# Altium PCB CONTROLBAORD_PCB.PcbDoc (part 1 of 2) (continued)
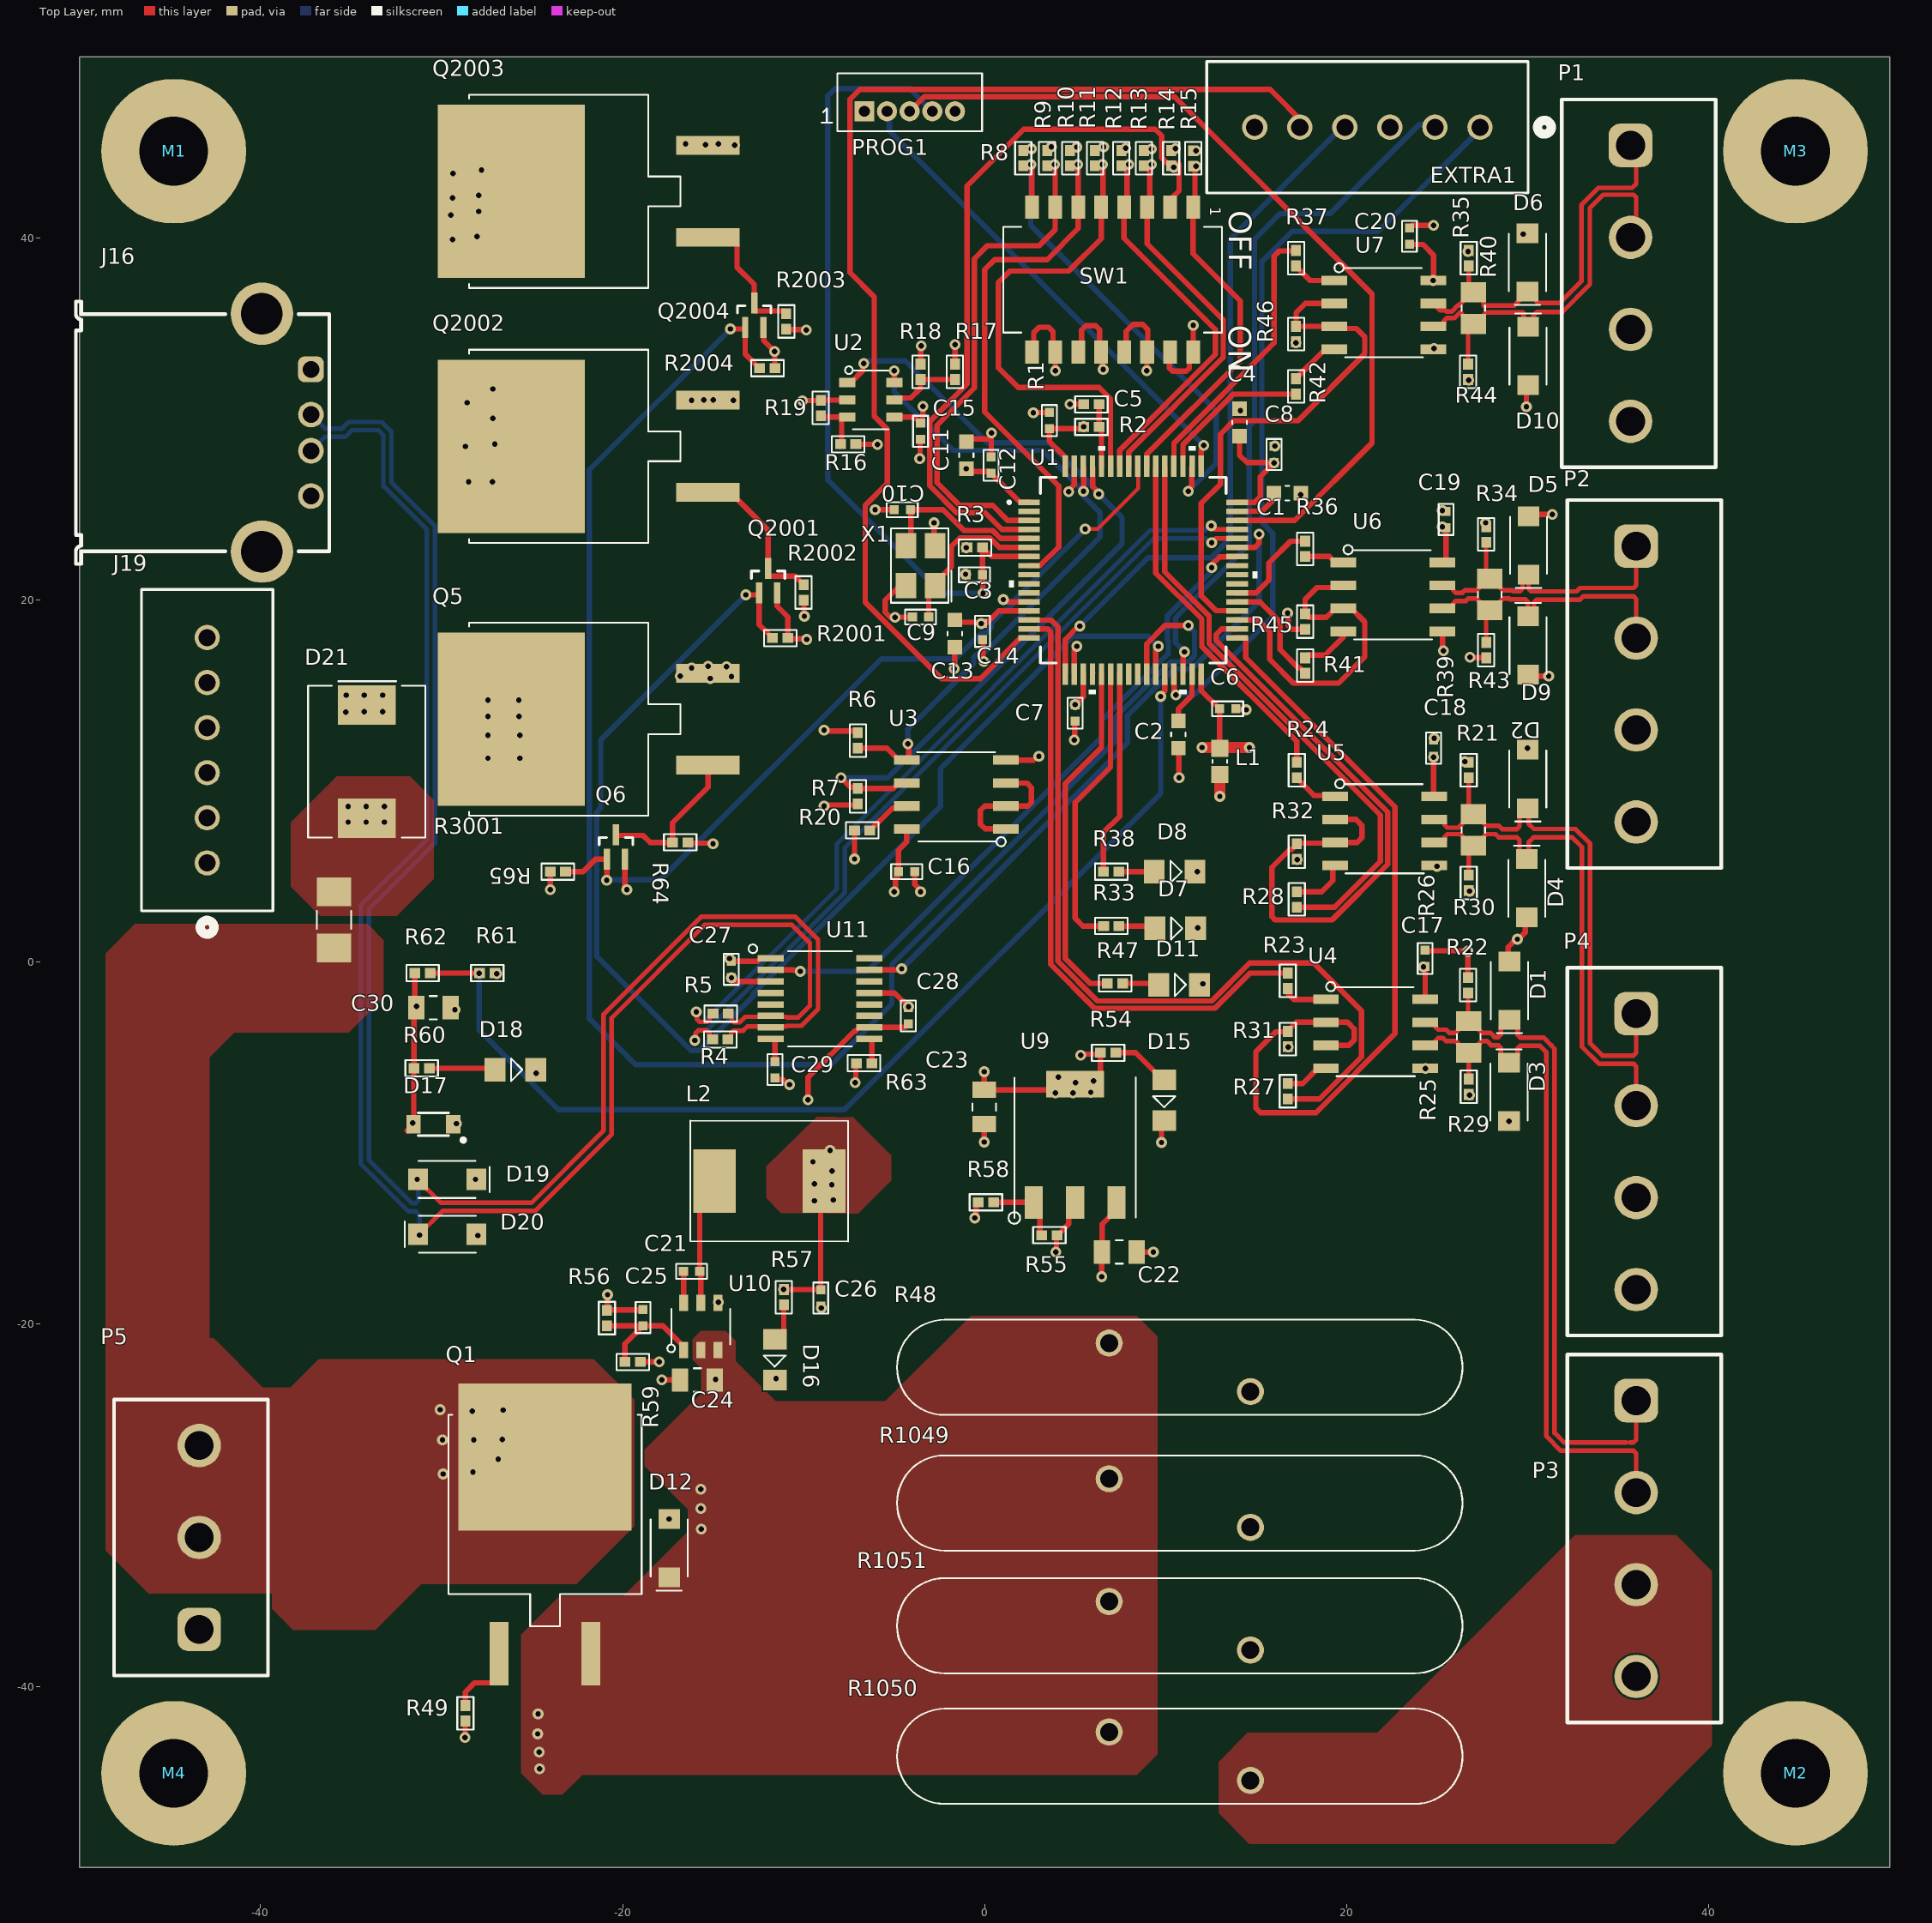
[diagram p0: Top Layer view]
## Design rules (kind name [scope] priority, off if disabled: settings)
BoardOutlineClearance [All] p1: gap=0.1 ignorepadtopadclearanceinfootprint=FALSE
Clearance [InNamedPolygon('Int1 (GND)-GND')] p1: gap=0.254 ignorepadtopadclearanceinfootprint=FALSE
Clearance "PCBWAY Standarts" [All] p2: gap=0.1 ignorepadtopadclearanceinfootprint=FALSE
DiffPairsRouting [All] p1: maxlimit=0.3 minlimit=0.1 mostfreqgap=0.2 toplayer_minwidth=0.254 toplayer_maxwidth=0.381 toplayer_prefwidth=0.254 midlayer1_minwidth=0.254 midlayer1_maxwidth=0.381 midlayer1_prefwidth=0.254 midlayer2_minwidth=0.254 midlayer2_maxwidth=0.381 midlayer2_prefwidth=0.254 bottomlayer_minwidth=0.254 bottomlayer_maxwidth=0.381 bottomlayer_prefwidth=0.254 maxuncoupledlength=12.7
Height [All] p1: minheight=0 maxheight=100 prefheight=12.7
HoleSize [All] p1: absolutevalues=TRUE maxlimit=5 minlimit=0.2 maxpercent=80.000 minpercent=20.000
HoleToHoleClearance [All] p1: gap=0 allowstackedmicrovias=TRUE
MinimumSolderMaskSliver [All] p1: minsoldermaskwidth=0
PolygonConnect PolygonConnect_2 [All vs IsNamedPolygon('Top Layer-12V0_4964')] p1: thpad.connectstyle=Direct thpad.reliefconductorwidth=0.254 thpad.reliefentries=4 thpad.polygonreliefangle="90 Angle" thpad.airgapwidth=0.254 smdpad.connectstyle=Direct smdpad.reliefconductorwidth=0.254 smdpad.reliefentries=4 smdpad.polygonreliefangle="90 Angle" smdpad.airgapwidth=0.254 via.connectstyle=Relief via.reliefconductorwidth=0.254 via.reliefentries=4 via.polygonreliefangle="90 Angle" via.airgapwidth=0.254
PolygonConnect PolygonConnect_1 [All vs IsNamedPolygon('Top Layer-12V0_4964')] p2: thpad.connectstyle=Direct thpad.reliefconductorwidth=0.254 thpad.reliefentries=4 thpad.polygonreliefangle="90 Angle" thpad.airgapwidth=0.254 smdpad.connectstyle=Direct smdpad.reliefconductorwidth=0.254 smdpad.reliefentries=4 smdpad.polygonreliefangle="90 Angle" smdpad.airgapwidth=0.254 via.connectstyle=Relief via.reliefconductorwidth=0.254 via.reliefentries=4 via.polygonreliefangle="90 Angle" via.airgapwidth=0.254
PolygonConnect [All] p3: connectstyle=Relief reliefconductorwidth=0.254 reliefentries=4 polygonreliefangle="90 Angle" airgapwidth=0.254
RoutingVias 0.3mm/0.6mm [All] p1: holewidth=0.3 width=0.6 viastyle="Through Hole" minholewidth=0.1 minwidth=0.2 maxholewidth=4 maxwidth=5
SilkToSilkClearance [All] p1: silktosilkclearance=0.1
SilkToSolderMaskClearance [IsPad] p1: minsilkscreentomaskgap=0.05 clearancetoexposedcopper=TRUE
SolderMaskExpansion [All] p1: expansion=0.102
Width 0.15mm [All] p1: maxlimit=20 minlimit=0.15 preferedwidth=0.3 minimp=50.000000 maximp=50.000000 favimp=50.000000
23 further rules are at their usual default settings.

## Classes and differential pairs
component class ALARM_POWER: D21 J19 Q5 Q6 Q2001 Q2002 Q2003 Q2004 R64 R65 R2001 R2002 R2003 R2004 R3001
component class UART_USB: C27 C28 C29 C30 D17 D18 D19 D20 J16 R60 R61 R62 R63 U11
component class POWER: C21 C22 C23 C24 C25 C26 D12 D15 D16 L2 P5 Q1 R48 R49 R54 R55 R56 R57 R58 R59 R1049 R1050 R1051 U9 U10
component class MISC: C15 C16 C17 C18 C19 C20 D1 D2 D3 D4 D5 D6 D7 D8 D9 D10 D11 EXTRA1 PROG1 R6 R7 R8 R9 R10 R11 R12 R13 R14 R15 R16 R17 R18 R19 R20 R21 R22 R23 R24 R25 R26 R27 R28 R29 R30 R31 R32 R33 R34 R35 R36 R37 R38 R39 R40 R41 R42 R43 R44 R45 R46 R47 SW1 U2 U3 U4 U5 U6 U7
component class MICROCONTROLLER: C1 C2 C3 C4 C5 C6 C7 C8 C9 C10 C11 C12 C13 C14 L1 R1 R2 R3 R4 R5 U1 X1
component class CONNECTORs: M1 M2 M3 M4 P1 P2 P3 P4
differential pair RS485_4: +RS485_4_P -RS485_4_N
differential pair RS485_3: +RS485_3_P -RS485_3_N
differential pair RS485_2: +RS485_2_P -RS485_2_N
differential pair RS485_1: +RS485_1_P -RS485_1_N
differential pair USB1_D: +USB1_D_P -USB1_D_N
differential pair USB_D: +USB_D_P -USB_D_N

## Components (designator, comment, footprint, x,y, rotation, side; value= is the part's Value field where it differs from the comment)
C1 "CL10A225KP8NNNC" CAP_0603_CER 16.733,25.908 r180 top value=2.2u
C2 "CL10A225KP8NNNC" CAP_0603_CER 10.71,12.575 r90 top value=2.2u
C3 "CL05B104KP5NNNC" CAP_0402_CER -0.56,21.405 r0 top value=100n
C4 "CL10A475KP8NNNC" CAP_0603_CER 14.083,29.815 r270 top value=4.7u
C5 "CL05B104KP5NNNC" CAP_0402_CER 3.58,29.92 r90 top value=100n
C6 "CL05B104KP5NNNC" CAP_0402_CER 13.43,13.995 r0 top value=100n
C7 "CL05B104KP5NNNC" CAP_0402_CER 5,13.758 r270 top value=100n
C8 "CL05B104KP5NNNC" CAP_0402_CER 16,28.047 r90 top value=100n
C9 "CC0402JRNPO9BN180" CAP_0402_CER -3.538,19.065 r180 top value=18p
C10 "CC0402JRNPO9BN180" CAP_0402_CER -4.55,25 r180 top value=18p
C11 "CL10A225KP8NNNC" CAP_0603_CER -1.01,28 r90 top value=2.2u
C12 "CL05B104KP5NNNC" CAP_0402_CER 0.362,27.45 r270 top value=100n
C13 "CL10A225KP8NNNC" CAP_0603_CER -1.638,18.155 r90 top value=2.2u
C14 "CL05B104KP5NNNC" CAP_0402_CER -0.11,18.273 r270 top value=100n
C15 "CL05B104KP5NNNC" CAP_0402_CER -3.538,29.326 r270 top value=100n
C16 "CL05B104KP5NNNC" CAP_0402_CER -4.3,5 r180 top value=100n
C17 "CL05B104KP5NNNC" CAP_0402_CER 24.34,0.209 r270 top value=100n
C18 "CL05B104KP5NNNC" CAP_0402_CER 24.8,11.825 r270 top value=100n
C19 "CL05B104KP5NNNC" CAP_0402_CER 25.5,24.455 r270 top value=100n
C20 "CL05B104KP5NNNC" CAP_0402_CER 23.47,40.099 r270 top value=100n
C21 "CL05B104KP5NNNC" CAP_0402_CER -16.188,-17.08 r0 top value=100nF
C22 "CL21A106KOQNNNE" CAP_0805_CER 7.44,-16 r180 top value=10uF
C23 "CL21A106KOQNNNE" CAP_0805_CER -0.023,-8 r90 top value=10uF
C24 "CL21A106KOQNNNE" CAP_0805_CER -15.865,-23.08 r0 top value=10uF
C25 "CC0402JRNPO9BN101" CAP_0402_CER -18.865,-19.63 r90 top value=100pF
C26 "CL10A475KP8NNNC" CAP_0402_CER -9.054,-18.55 r90 top value=4.7uF
C27 "CL05B104KP5NNNC" CAP_0402_CER -14,-0.396 r270 top value=100n
C28 "CL05B104KP5NNNC" CAP_0402_CER -4.207,-2.966 r270 top value=100n
C29 "CL05B104KP5NNNC" CAP_0402_CER -11.575,-5.933 r90 top value=100n
C30 "CL21A106KOQNNNE" CAP_0805_CER -30.45,-2.516 r180 top value=10u
D1 "SMF16CA" SOD-123F 28.975,-1.696 r90 top value=16V
D2 "SMF16CA" SOD-123F 29.984,10 r90 top value=16V
D3 "SMF16CA" SOD-123F 29,-7.05 r270 top value=16V
D4 "SMF16CA" SOD-123F 29.984,4.205 r270 top value=16V
D5 "SMF16CA" SOD-123F 30.025,22.905 r90 top value=16V
D6 "SMF16CA" SOD-123F 29.966,38.527 r90 top value=16V
D7 "*" LED_0805_SMD 10.46,1.95 r0 top
D8 "*" LED_0805_SMD 10.42,5.073 r0 top
D9 "SMF16CA" SOD-123F 30.05,17.615 r270 top value=16V
D10 "SMF16CA" SOD-123F 30.05,33.604 r270 top value=16V
D11 "*" LED_0805_SMD 10.67,-1.169 r0 top
D12 "SMF13A" SOD-123F -17.45,-32.487 r90 top value=13V
D15 "HSMM-C170" LED_0805_SMD 10,-7.552 r270 top
D16 "HSMM-C170" LED_0805_SMD -11.517,-21.878 r270 top
D17 "BAT42WS-E3-08" SOD323F -30.45,-8.95 r180 top value=200mA
D18 "*" LED_0805_SMD -26,-5.86 r0 top
D19 "SMF16CA" SOD-123F -29.568,-12.025 r180 top value=16V
D20 "SMF16CA" SOD-123F -29.806,-15 r0 top value=16V
D21 "SMLJ13CA" "DO-214AB, SMC" -34.29,11.167 r270 top value=3kW
EXTRA1 "B06B-XASK-1-A" conn6_2132415-6_TEC#1 27.372,46.12 r0 top
J16 "UJ2-BH-1-TH" 61400416021 -43.205,29.25 r270 top
J19 "B06B-XASK-1-A" conn6_2132415-6_TEC#2 -42.951,5.486 r270 top
L1 "MPZ1608S221ATA00" IND_0603_SMD 13,11.095 r90 top value="220 Ohms @ 100 MHz"
L2 "BMRB00060630100MA1" IND_YAGEO -14.915,-12.08 r0 top value=10u
M1 "M3 Screw" M3_Screw -44.8,44.8 r0 top locked
M2 "M3 Screw" M3_Screw 44.8,-44.8 r0 top locked
M3 "M3 Screw" M3_Screw 44.8,44.8 r0 top locked
M4 "M3 Screw" M3_Screw -44.8,-44.8 r0 top locked
P1 "691311500004" 691311500004 36.137,37.497 r270 top
P2 "691311500004" 691311500004 36.45,15.365 r270 top
P3 "691311500004" 691311500004 36.45,-31.835 r270 top
P4 "691311500004" 691311500004 36.45,-10.46 r270 top
P5 "SBDK 5,08-E2A/3" 691311500003 -43.84,-31.775 r90 top
PROG1 "125SH-B-05-TS" 1.25_ST_5POS_THT -4.237,47.704 r0 top value=5POS-1.25mm
Q1 "SQM110P06-8M9L_GE3" SQM110P06_MOSFET -24.359,-32.479 r0 top value=N/A
Q5 "SQM110P06-8M9L_GE3" SQM110P06_MOSFET -21,13.343 r90 top value=N/A
Q6 "SSM3K56FS,LF" SSM_TOS -20.365,6.361 r0 top
Q2001 "SSM3K56FS,LF" SSM_TOS -11.96,21.08 r0 top
Q2002 "SQM110P06-8M9L_GE3" SQM110P06_MOSFET -21,28.42 r90 top value=N/A
Q2003 "SQM110P06-8M9L_GE3" SQM110P06_MOSFET -21,42.5 r90 top value=N/A
Q2004 "SSM3K56FS,LF" SSM_TOS -12.725,35.726 r0 top
R1 "RMCF0402JT2K20" RES_0402_SMD 5.9,30.815 r180 top value=2.2K
R2 "RMCF0402JT2K20" RES_0402_SMD 5.9,29.565 r180 top value=2.2K
R3 "RMCF0402JT2K20" RES_0402_SMD -0.535,22.905 r0 top value=2.2K
R4 "RC0402JR-070RL" RES_0402_SMD -14.605,-4.267 r180 top value=0
R5 "RC0402JR-070RL" RES_0402_SMD -14.58,-2.84 r180 top value=0
R6 "RMCF0402JT2K20" RES_0402_SMD -7,12.245 r90 top value=2.2K
R7 "RMCF0402JT2K20" RES_0402_SMD -7,9.165 r270 top value=2.2K
R8 "RMCF0402JT2K20" RES_0402_SMD 2.136,44.411 r90 top value=2.2K
R9 "RMCF0402JT2K20" RES_0402_SMD 3.456,44.411 r90 top value=2.2K
R10 "RMCF0402JT2K20" RES_0402_SMD 4.726,44.411 r90 top value=2.2K
R11 "RMCF0402JT2K20" RES_0402_SMD 6.096,44.411 r90 top value=2.2K
R12 "RMCF0402JT2K20" RES_0402_SMD 7.556,44.411 r90 top value=2.2K
R13 "RMCF0402JT2K20" RES_0402_SMD 8.806,44.411 r90 top value=2.2K
R14 "RMCF0402JT2K20" RES_0402_SMD 10.306,44.411 r90 top value=2.2K
R15 "RMCF0402JT2K20" RES_0402_SMD 11.52,44.399 r90 top value=2.2K
R16 "RMCF0402JT2K20" RES_0402_SMD -7.538,28.612 r0 top value=2.2K
R17 "RMCF0402JT2K20" RES_0402_SMD -1.638,32.612 r90 top value=2.2K
R18 "RMCF0402JT2K20" RES_0402_SMD -3.538,32.612 r270 top value=2.2K
R19 "RMCF0402JT2K20" RES_0402_SMD -9.054,30.612 r270 top value=2.2K
R20 "RMCF0402JT2K20" RES_0402_SMD -6.764,7.285 r0 top value=2.2K
R21 "RMCF0402JT2K20" RES_0402_SMD 26.75,10.611 r90 top value=2.2K
R22 "RMCF0402JT2K20" RES_0402_SMD 26.71,-1.271 r90 top value=2.2K
R23 "RMCF0402JT220R" RES_0402_SMD 16.75,-1.024 r90 top value=220
R24 "RMCF0402JT220R" RES_0402_SMD 17.25,10.611 r90 top value=220
R25 "ESR10EZPJ121" RES_0805_SMD 26.75,-4.125 r270 top value=120
R26 "ESR10EZPJ121" RES_0805_SMD 27,7.305 r270 top value=120
R27 "RMCF0402JT220R" RES_0402_SMD 16.75,-7.127 r270 top value=220
R28 "RMCF0402JT220R" RES_0402_SMD 17.25,3.466 r270 top value=220
R29 "RMCF0402JT2K20" RES_0402_SMD 26.75,-6.875 r90 top value=2.2K
R30 "RMCF0402JT2K20" RES_0402_SMD 26.75,4.383 r90 top value=2.2K
R31 "RMCF0402JT2K20" RES_0402_SMD 16.75,-4.244 r90 top value=2.2K
R32 "RMCF0402JT2K20" RES_0402_SMD 17.25,6.111 r90 top value=2.2K
R33 "RMCF0402JT2K20" RES_0402_SMD 7,2 r180 top value=2.2K
R34 "RMCF0402JT2K20" RES_0402_SMD 27.71,23.627 r90 top value=2.2K
R35 "RMCF0402JT2K20" RES_0402_SMD 26.75,38.89 r90 top value=2.2K
R36 "RMCF0402JT220R" RES_0402_SMD 17.71,22.83 r90 top value=220
R37 "RMCF0402JT220R" RES_0402_SMD 17.21,38.89 r90 top value=220
R38 "RMCF0402JT2K20" RES_0402_SMD 6.995,5 r180 top value=2.2K
R39 "ESR10EZPJ121" RES_0805_SMD 27.908,20.31 r270 top value=120
R40 "ESR10EZPJ121" RES_0805_SMD 27,36.125 r270 top value=120
R41 "RMCF0402JT220R" RES_0402_SMD 17.71,16.385 r270 top value=220
R42 "RMCF0402JT220R" RES_0402_SMD 17.21,31.805 r270 top value=220
R43 "RMCF0402JT2K20" RES_0402_SMD 27.71,17.235 r90 top value=2.2K
R44 "RMCF0402JT2K20" RES_0402_SMD 26.71,32.612 r90 top value=2.2K
R45 "RMCF0402JT2K20" RES_0402_SMD 17.71,18.81 r90 top value=2.2K
R46 "RMCF0402JT2K20" RES_0402_SMD 17.21,34.697 r90 top value=2.2K
R47 "RMCF0402JT2K20" RES_0402_SMD 7.21,-1.169 r180 top value=2.2K
R48 "SL32 0R530" "SL32 0R530" 10.783,-22.377 r0 top value=30A
R49 "RMCF0402JT100K" RES_0402_SMD -28.685,-41.487 r90 top value=100K
R54 "RMCF0402FT3K00" RES_0402_SMD 6.825,-5 r180 top value=3K
R55 "RMCF0402FT2K00" RES_0402_SMD 3.58,-15.08 r0 top value=2K
R56 "RMCF0402FT158K" RES_0402_SMD -20.865,-19.655 r90 top value=158K
R57 "RMCF0402FT3K00" RES_0402_SMD -11.09,-18.505 r90 top value=3K
R58 "RMCF0402FT3K00" RES_0402_SMD 0.077,-13.264 r0 top value=3K
R59 "*" RES_0402_SMD -19.44,-22.08 r180 top value=30K
R60 "RMCF0402JT2K20" RES_0402_SMD -31.1,-5.86 r0 top value=2.2K
R61 "RMCF0402JT2K20" RES_0402_SMD -27.473,-0.599 r180 top value=2.2K
R62 "RMCF0402JT2K20" RES_0402_SMD -31.048,-0.599 r180 top value=2.2K
R63 "RMCF0402JT2K20" RES_0402_SMD -6.658,-5.582 r180 top value=2.2K
R64 "RMCF0402JT100K" RES_0402_SMD -16.815,6.616 r0 top value=100K
R65 "RMCF0402JT100K" RES_0402_SMD -23.575,5 r0 top value=100K
R1049 "SL32 0R530" "SL32 0R530" 10.783,-29.87 r0 top value=30A
R1050 "SL32 0R530" "SL32 0R530" 10.783,-43.86 r0 top value=30A
R1051 "SL32 0R530" "SL32 0R530" 10.783,-36.652 r0 top value=30A
R2001 "RMCF0402JT100K" RES_0402_SMD -11.29,17.905 r180 top value=100K
R2002 "RMCF0402JT100K" RES_0402_SMD -10,20.425 r270 top value=100K
R2003 "RMCF0402JT100K" RES_0402_SMD -10.96,35.396 r270 top value=100K
R2004 "RMCF0402JT100K" RES_0402_SMD -12,32.81 r180 top value=100K
R3001 "*" RES_1206_SMD -35.941,2.337 r90 top value=0R
SW1 "218-8LPST" 218-8LPST 7.177,37.7 r270 top value=SPST-8POS
U1 "STM32F405RGT6" LQFP64-10x10mm 8.21,21.655 r0 top
U2 "TMP100AQDBVRQ1" TSOT-23-6 -6.248,31.251 r0 top value="-55°C ~ 125°C"
U3 "M24256E-FMN6TP" "8-SOIC(0.154\", 3.90mm Width)" -1.71,9.13 r180 top value=256Kbit
U4 "SP3082EEN-L" "8-SOIC(0.154\", 3.90mm Width)" 21.75,-3.823 r0 top value=256nodes
U5 "SP3082EEN-L" "8-SOIC(0.154\", 3.90mm Width)" 22.25,7.383 r0 top value=256nodes
U6 "SP3082EEN-L" "8-SOIC(0.154\", 3.90mm Width)" 22.71,20.31 r0 top value=256nodes
U7 "SP3082EEN-L" "8-SOIC(0.154\", 3.90mm Width)" 22.21,35.886 r0 top value=256nodes
U9 "AMS1117-ADJ" SOT-223-3 5,-10 r0 top value=1A
U10 "AP63200WU-7" TSOT-23-6 -15.865,-20.08 r90 top value=N/A
U11 "FT230XS-R" 16-SSOP -9.197,-1.933 r0 top value=N/A
X1 "CF4016M00009T1521005" XTAL-4SMD -3.538,21.905 r180 top value=16Mhz

## Footprints (in the part's own frame and the unit in brackets; to place one, negate y for a bottom-side part, rotate by r counter-clockwise, add the part's x,y. Pads: shape width x height; smd on the part's side, far side on the other; paste and mask are expansions set on the pad)
1.25_ST_5POS_THT [mm]
  rect 1.108x1.108 hole 0.6: 1(-2.401,-0.704)
  round 1.108 hole 0.6: 2(-1.151,-0.704) 3(0.099,-0.704) 4(1.349,-0.704) 5(2.599,-0.704)
  silkscreen extent -4.77,-1.8 4.1,1.4, body extent -3.87,-1.78 4.12,1.42, height 4.2
"8-SOIC(0.154\", 3.90mm Width)" [mm]
  rect 1.417x0.533 smd paste+0: 1(-2.89,1.773) 2(-2.89,0.503) 3(-2.89,-0.767) 4(-2.89,-2.037) 5(2.59,-2.037) 6(2.59,-0.767) 7(2.59,0.503) 8(2.59,1.773)
  silkscreen extent -2.88,-2.47 2.02,2.73, body extent -3.17,-2.68 3.02,2.4, height 1.76
16-SSOP [mil]
  rect 57.5x14 smd paste+0: 1(-103.16,84.31) 2(-103.16,59.31) 3(-103.16,34.31) 4(-103.16,9.31) 5(-103.16,-15.69) 6(-103.16,-40.69) 7(-103.16,-65.69) 8(-103.16,-90.69) 9(111.34,-90.69) 10(111.34,-65.69) 11(111.34,-40.69) 12(111.34,-15.69) 13(111.34,9.31) 14(111.34,34.31) 15(111.34,59.31) 16(111.34,84.31)
  silkscreen extent -151,-107 73,115, body extent -118,-102 126,95, height 69
218-8LPST [mm]
  rect 1.27x0.762 smd paste+0: 1(-4,4.343) 2(-4,3.073) 3(-4,1.803) 4(-4,0.533) 5(-4,-0.737) 6(-4,-2.007) 7(-4,-3.277) 8(-4,-4.547) 9(4,-4.547) 10(4,-3.277) 11(4,-2.007) 12(4,-0.737) 13(4,0.533) 14(4,1.803) 15(4,3.073) 16(4,4.343)
  silkscreen extent -2.92,-6.15 2.92,5.94, body extent -4.27,-5.75 4.17,5.57, height 2.57
61400416021 [mm] "USB 2.0 Type A Horizontal"
  rrect50% 1.42x1.42 hole 0.92: 1(-3.5,5.99)
  round 1.42 hole 0.92: 2(-1,5.99) 3(1,5.99) 4(3.5,5.99)
  round 3.45 hole 2.3: Shell(-6.57,3.28) Shell(6.57,3.28)
  silkscreen extent -7.25,-7 7.25,7, body extent -8,-7 8,7, height 7.63
691311500003 [mm] "5,08mm - PCB Headers - Vertical - Opened ends -03p"
  rrect50% 2.4x2.4 hole 1.6: 1(-5.08,-0.45)
  round 2.4 hole 1.6: 2(0,-0.45) 3(5.08,-0.45)
  silkscreen extent -7.62,-4.25 7.62,4.25, body extent -7.62,-4.25 7.62,4.25, height 12.05
691311500004 [mm] "5,08mm - PCB Headers - Vertical - Opened ends -04p"
  rrect50% 2.4x2.4 hole 1.6: 1(-7.62,-0.45)
  round 2.4 hole 1.6: 2(-2.54,-0.45) 3(2.54,-0.45) 4(7.62,-0.45)
  silkscreen extent -10.16,-4.25 10.16,4.25, body extent -10.16,-4.25 10.16,4.25, height 12.05
CAP_0402_CER [mm] "Generic"
  rect 0.5x0.5 smd: 1(-0.45,0) 2(0.45,0)
  silkscreen extent -0.86,-0.41 0.86,0.41, body extent -0.5,-0.25 0.5,0.25, height 0.5
CAP_0603_CER [mm] "Generic"
  rect 0.8x0.8 smd: 1(-0.75,0) 2(0.75,0)
  silkscreen extent -0.1,-0.4 0.1,0.4, body extent -0.8,-0.4 0.8,0.4, height 0.8
CAP_0805_CER [mm] "Generic"
  rect 0.9x1.3 smd: 1(-0.95,0) 2(0.95,0)
  silkscreen extent -0.2,-0.65 0.2,0.65, body extent -1,-0.62 1,0.63, height 0.6
conn6_2132415-6_TEC#1 [mil]
  round 55 / inner round 60 / far side round 55 hole 37.4 paste-27.5 mask+0: 1(0,0) 2(-98,0) 3(-196,0) 4(-294,0) 5(-392,0) 6(-490,0)
  silkscreen extent -594,-143 155,143
conn6_2132415-6_TEC#2 [mil]
  round 55 hole 37.4 paste-27.5 mask+0: 1(0,0) 2(-98,0) 3(-196,0) 4(-294,0) 5(-392,0) 6(-490,0)
  silkscreen extent -594,-143 155,143
"DO-214AB, SMC" [mm]
  rect 2.174x3.2 smd paste+0: 1(-3.041,0.15) 2(3.213,0.15)
  silkscreen extent -4.35,-3.09 4.28,3.39, body extent -4,-2.97 4.13,3.25, height 2.67
IND_0603_SMD [mm] "Generic"
  rect 0.95x0.95 smd: 1(-0.725,0) 2(0.725,0)
  silkscreen extent -0.08,-0.4 0.08,0.4, body extent -0.8,-0.48 0.8,0.48, height 0.78
IND_YAGEO [mm] "BMRB00060630100MA1"
  rect 2.35x3.5 smd: 1(0,0) 2(6.05,0)
  silkscreen extent -1.35,-3.35 7.37,3.32, body extent -0.62,-3.3 6.68,3.3, height 3
LED_0805_SMD [mm]
  rect 1.15x1.3 smd: A(-1.048,-0.073) C(1.201,-0.073)
  silkscreen extent -0.15,-0.7 0.46,0.54, body extent -0.95,-0.7 1.05,0.55, height 0.72
LQFP64-10x10mm [mm]
  rect 1.194x0.305 smd paste+0 mask+0: 1(-5.75,3.75) 2(-5.75,3.25) 3(-5.75,2.75) 4(-5.75,2.25) 5(-5.75,1.75) 6(-5.75,1.25) 7(-5.75,0.75) 8(-5.75,0.25) 9(-5.75,-0.25) 10(-5.75,-0.75) 11(-5.75,-1.25) 12(-5.75,-1.75) 13(-5.75,-2.25) 14(-5.75,-2.75) 15(-5.75,-3.25) 16(-5.75,-3.75) 33(5.75,-3.75) 34(5.75,-3.25) 35(5.75,-2.75) 36(5.75,-2.25) 37(5.75,-1.75) 38(5.75,-1.25) 39(5.75,-0.75) 40(5.75,-0.25) 41(5.75,0.25) 42(5.75,0.75) 43(5.75,1.25) 44(5.75,1.75) 45(5.75,2.25) 46(5.75,2.75) 47(5.75,3.25) 48(5.75,3.75)
  rect 0.305x1.194 smd paste+0 mask+0: 17(-3.75,-5.75) 18(-3.25,-5.75) 19(-2.75,-5.75) 20(-2.25,-5.75) 21(-1.75,-5.75) 22(-1.25,-5.75) 23(-0.75,-5.75) 24(-0.25,-5.75) 25(0.25,-5.75) 26(0.75,-5.75) 27(1.25,-5.75) 28(1.75,-5.75) 29(2.25,-5.75) 30(2.75,-5.75) 31(3.25,-5.75) 32(3.75,-5.75) 49(3.75,5.75) 50(3.25,5.75) 51(2.75,5.75) 52(2.25,5.75) 53(1.75,5.75) 54(1.25,5.75) 55(0.75,5.75) 56(0.25,5.75) 57(-0.25,5.75) 58(-0.75,5.75) 59(-1.25,5.75) 60(-1.75,5.75) 61(-2.25,5.75) 62(-2.75,5.75) 63(-3.25,5.75) 64(-3.75,5.75)
  silkscreen extent -6.93,-6.85 6.85,6.85, body extent -6,-6 6,6, height 1.6
M3_Screw [mm]
  round 8 hole 3.8 paste+0: 0(0,0)
RES_0402_SMD [mm] "Generic"
  rect 0.6x0.55 smd: 1(-0.425,0) 2(0.425,0)
  silkscreen extent -0.9,-0.45 0.9,0.45, body extent -0.5,-0.25 0.5,0.25, height 0.35
RES_0805_SMD [mm] "Generic"
  rect 1.1x1.4 smd: 1(-0.875,0) 2(0.875,0)
  silkscreen extent -0.15,-0.65 0.15,0.65, body extent -1,-0.62 1,0.63, height 0.45
RES_1206_SMD [mm] "Generic"
  rect 1.6x1.9 smd: 1(-1.55,0) 2(1.55,0)
  silkscreen extent -0.5,-0.95 0.5,0.95, body extent -1.55,-0.8 1.65,0.8, height 0.55
"SL32 0R530" [mil]
  round 59 / inner round 60 / far side round 59 hole 39 paste-29.5 mask+0: 1(-153.54,52.76)
  round 59 hole 39 paste-29.5 mask+0: 2(153.54,-52.76)
  silkscreen extent -615,-104 615,104
SOD323F [mm]
  rect 0.8x1 smd: 1(-1.1,0) 2(1.1,0)
  silkscreen extent -1.75,-0.63 0.85,0.97, body extent -1.25,-0.62 1.25,0.63, height 0.8
SOD-123F [mil]
  rect 43x47 smd paste+0: 1(-58.82,-0.98) 2(68.18,-0.98)
  silkscreen extent -88,-41 67,39, body extent -72,-40 82,39, height 43
SOT-223-3 [mm]
  rect 1x1.8 smd paste+0: 1(-2.29,-3.264) 2(0,-3.264) 3(2.29,-3.264)
  rect 3.2x1.473 smd paste+0: 4(0,3.264)
  silkscreen extent -3.68,-4.45 3.35,3.65, body extent -3.35,-3.64 3.35,3.65, height 1.81
SQM110P06_MOSFET [mil]
  rect 41x138 smd paste+0: 1(-96.97,-225.32) 2(103.03,-225.32)
  rect 377x320 smd paste+0: 3(3.03,202.68)
  silkscreen extent -207,-165 213,295, body extent -202,-280 208,342, height 190
SSM_TOS [mm]
  rect 0.351x1.161 smd paste+0 mask+0: 1(-0.5,-0.675) 2(0.5,-0.675) 3(0,0.675)
  silkscreen extent -0.93,0.12 0.93,0.53, body extent -0.8,-0.9 0.8,0.9, height 0.8
TSOT-23-6 [mil]
  rect 35.5x20 smd paste+0: 1(-52.9,30.08) 2(-52.9,-7.32) 3(-52.9,-44.72) 4(49.6,-44.72) 5(49.6,-7.32) 6(49.6,30.08)
  silkscreen extent -58,-71 37,65, body extent -57,-66 53,52, height 39
XTAL-4SMD [mm]
  rect 1.143x1.397 smd paste-0.572: 1(-0.8,1.1) 2(-0.8,-1.1) 3(0.8,-1.1) 4(0.8,1.1)
  silkscreen extent -1.7,-2.05 1.63,2.05, body extent -1.29,-1.65 1.3,1.65, height 0.76

## Part data
C1 C2 C3 C5 C6 C7 C8 C11 C12 C13 C14 C15 C16 C17 C18 C19 C20 C27 C28 C29: library part CAP_GEN_CER, "Generic", Voltage=10V, Place=P
  C1 C2 C11 C13: Part Number=CL10A225KP8NNNC
  C3 C5 C6 C7 C8 C12 C14 C15 C16 C17 C18 C19 C20 C27 C28 C29: Part Number=CL05B104KP5NNNC
C4: library part CAP_GEN_CER, "Generic", Voltage=6.3V, Part Number=CL10A475KP8NNNC, Place=P
C9 C10: library part CAP_GEN_CER, "Generic", Package=0402, Part Number=CC0402JRNPO9BN180, Place=P
C21: library part CAP_GEN_CER, "Generic", Package=0402, Voltage=10V, Part Number=CL05B104KP5NNNC, Place=P
C22 C23 C24: library part CAP_GEN_CER, "10uF 0805 Ceramic Capacitor", Voltage=16V, Part Number=CL21A106KOQNNNE, Place=P
C25: library part CAP_GEN_CER, "Generic", Package=0402, Voltage=50V, Part Number=CC0402JRNPO9BN101, Place=P
C26: library part CAP_GEN_CER, "Generic", Package=0402, Voltage=6.3V, Part Number=CL10A475KP8NNNC, Place=P
C30: library part CAP_GEN_CER, "Generic", Voltage=16V, Part Number=CL21A106KOQNNNE, Place=P
D1 D2 D3 D4 D5 D6 D9 D10 D19 D20: "Unidirectional TVS DIODE 200W 16V-17.8V SOD-123", Manufacturer="ANBON SEMI", Operating Temp.="-55°C ~ 150°C", Package=SOD-123F, Power=200W, Tolerance=N/A, Voltage=17.8V, Part Number=SMF16CA, Place=POP
D7 D8 D11 D18: library part LED_GEN
  D7: Place=P
  D8 D11 D18: Place=P/DNP
D12: "TVS DIODE 200W 14.4V-15.9V SOD-123", Manufacturer="ANBON SEMI", Operating Temp.="-55°C ~ 150°C", Package=SOD-123F, Power=200W, Tolerance=N/A, Voltage=14.4V, Part Number=SMF13A, Place=P
D15 D16: library part LED_GEN, Manufacturer=Broadcom, Package=0805, Voltage=3.3V, Part Number=HSMM-C170
  D15: Place=P
  D16: Place=POP
D17: "DIODE SCHOTTKY 30V 200MA", Operating Temp.="-55°C ~ 125°C", Package=SC-76, Power=N/A, Voltage=30V, Part Number=BAT42WS-E3-08, Place=POP, Tolerance=N/A
D21: "21.5V Clamp 139.4A Ipp Tvs Diode Surface Mount SMC (DO-214AB)", Operating Temp.=UD, Package=DIONM7959X282N, Voltage=13V, ComponentLink1Description=Digikey, ComponentLink1URL=https://www.digikey.com/en/products/detail/bourns-inc/SMLJ13CA/2253492, Part Number=SMLJ13CA, Place=P, Tolerance=UD
EXTRA1 J19: library part 2132415-6, "No Description Available", Mfr_Name="TE Connectivity", RefDes=RefDes, TYPE=Header
J16: library part 61400416021, "WR-COM USB 2.0 Type A Horizontal", Manufacturer="Wurth Elektronik", Operating Temperature Max=105°C, Operating Temperature Min=-40°C, Rated Current=1.5A, Working Voltage="30V (AC)", Application="USB 2.0", Category="Input/Output Connectors", ComponentLink1Description="Website Link", ComponentLink1URL=https://www.we-online.com/redexpert/article/61400416021?ad, ComponentLink2Description="Datasheet Link", ComponentLink2URL=https://www.we-online.com/redexpert/spec/61400416021?ad, Gender=Receptacle, Interface Type="Type A", Manufacturer Part Number=61400416021, Match Code=WR-USB, Mount="Through Hole", Number of Pins=4, Number of Ports=1, Orientation=Horizontal, Packaging=Tray
L1: library part IND_GEN_SMD, "Generic SMD IND/BEAD", Part Number=MPZ1608S221ATA00, Place=P
L2: "FIXED IND 10UH 4A 68 MOHM SMD", Current=4, Manufacturer=PULSE, Operating Temp.="-55°C ~ 125°C", Package=IND_YAGEO, Power=N/A, Tolerance=±20%, Part Number=BMRB00060630100MA1, Place=POP
M1 M2 M3 M4: "M3 Screw Hole"
  M1: Place=POP
  M2 M3 M4: Place=DNP
P1 P2 P3 P4: "WR-TBL Series 311 Open Vertical PCB Header, THT, pitch 5.08mm, 04p", Manufacturer="Wurth Elektronik", Manufacturer Part Number="SBDK 5,08-E2A/4", Max Operating Temperature=105°C, Min Operating Temperature=-40°C, Rated Current=20A, Working Voltage=300V, Application=Pluggable, Category="Terminal Block", ComponentLink1Description="Website Link", ComponentLink1URL=https://www.we-online.com/redexpert/article/691311500004?ad, ComponentLink2Description="Datasheet Link", ComponentLink2URL=https://www.we-online.com/redexpert/spec/691311500004?ad, Match Code=WR-TBL, Modularity=No, Mount="Through Hole", Number of Pins=4, Number of Rows=1, Orientation=Vertical, Packaging=Box, Pitch=5.08mm, System="Pluggable Connector"
P5: library part 691311500003, "WR-TBL Series 311 Open Vertical PCB Header, THT, pitch 5.08mm, 03p", Manufacturer="Wurth Elektronik", Max Operating Temperature=105°C, Min Operating Temperature=-40°C, Rated Current=20A, Working Voltage=300V, Application=Pluggable, Category="Terminal Block", ComponentLink1Description="Website Link", ComponentLink1URL=https://www.we-online.com/redexpert/article/691311500003?ad, ComponentLink2Description="Datasheet Link", ComponentLink2URL=https://www.we-online.com/redexpert/spec/691311500003?ad, Manufacturer Part Number="SBDK 5,08-E2A/3", Match Code=WR-TBL, Modularity=No, Mount="Through Hole", Number of Pins=3, Number of Rows=1, Orientation=Vertical, Packaging=Box, Pitch=5.08mm, System="Pluggable Connector"
PROG1: "CONN HEADER VERT 5POS 1.25MM", Manufacturer=ADAMTECH, Operating Temp.=N/A, Package=1.25, Part Number=125SH-B-05-TS, Place=DNP, Power=N/A, Tolerance=N/A, Voltage=N/A
Q1 Q5 Q2002 Q2003: "P-Channel 60 V 110A (Tc) 230W (Tc) Surface Mount TO-263 (D2PAK)", Operating Temp.="-55°C ~ 150°C", Power=110A, Tolerance=N/A, Voltage="20 V", Package=SQM110P06-8M9L_GE3, Part Number=SQM110P06-8M9L_GE3, Place=POP
Q6 Q2001 Q2004: "MOSFET (N-Channel)", Manufacturer_Name=Toshiba, Mouser Part Number=757-SSM3K56FSLF, Arrow Part Number=SSM3K56FS,LF, Arrow Price/Stock=https://www.arrow.com/en/products/ssm3k56fslf/toshiba?region=nac, Datasheet Link=http://toshiba.semicon-storage.com/info/docget.jsp?did=13419&prodName=SSM3K56FS, Height=0mm, Manufacturer_Part_Number=SSM3K56FS,LF, Mouser Price/Stock=https://www.mouser.co.uk/ProductDetail/Toshiba/SSM3K56FSLF?qs=PiFplXvYe5XjAd54EjZm0w%3D%3D
R1 R2 R3 R4 R5 R6 R7 R8 R9 R10 R11 R12 R13 R14 R15 R16 R17 R18 R19 R20 R21 R22 R23 R24 R25 R26 R27 R28 R29 R30 R31 R32 R33 R34 R35 R36 R37 R38 R39 R40 R41 R42 R43 R44 R45 R46 R47 R49 R54 R55 R56 R57 R58 R60 R61 R62 R63 R64 R65 R2001 R2002 R2003 R2004 R3001: library part RES_GEN_SMD, "Generic Chip Res"
  R1 R16 R17: Part Number=RMCF0402JT2K20, Place=DNP
  R2 R3 R6 R7 R8 R9 R10 R11 R12 R13 R14 R15 R18 R19 R20 R21 R22 R29 R30 R31 R32 R33 R34 R35 R38 R43 R44 R45 R46 R47 R60 R61 R62 R63: Part Number=RMCF0402JT2K20, Place=P
  R4 R5: Part Number=RC0402JR-070RL, Place=P
  R23 R24 R27 R28 R36 R37 R41 R42: Part Number=RMCF0402JT220R, Place=P
  R25 R26 R39 R40: Part Number=ESR10EZPJ121, Place=DNP
  R49 R64 R65 R2001 R2002 R2003 R2004: Part Number=RMCF0402JT100K, Place=P
  R54 R57 R58: Part Number=RMCF0402FT3K00, Place=P
  R55: Part Number=RMCF0402FT2K00, Place=P
  R56: Part Number=RMCF0402FT158K, Place=P
  R3001: Place=POP
R48 R1049 R1050 R1051: "Inrush Current Limiter 500 mOhms ±20% 30 A 1.220\" (31.00mm)", Manufacturer=Cantherm, Operating Temp.="-65°C ~ 150°C", Power=N/A, Tolerance=20, Package="SL32 0R530", Part Number="SL32 0R530", Place=POP, Voltage=N/A
R59: library part RES_GEN_SMD, "Generic Chip Res", Package=RMCF0402JT30K0, Place=P
SW1: "Dip Switch SPST 8 Position Surface Mount Slide (Standard) Actuator 100mA 20VDC", Manufacturer=CST, Operating Temp.="-40°C ~ 85°C", Power=N/A, Package=218-8LPST, Part Number=218-8LPST, Place=POP, Tolerance=N/A, Voltage=N/A
U1: "High-performance foundation line, ARM Cortex-M4 core with DSP and FPU, 1 Mbyte Flash, 168 MHz CPU, ART Accelerator", Package=None, Availability=Unavailable, MP=STM32F405RGT6, Price=None
U2: "Temperature Sensor Digital", Operating Temp.="-55°C ~ 125°C", Package=SOT-23-6, Power=N/A, Tolerance=±2°C, Voltage="2.7V ~ 5.5V", Part Number=TMP100AQDBVRQ1, Place=POP
U3: "IC EEPROM 256KBIT I2C 1MHZ 8SO", Manufacturer=STM, Operating Temp.="-40°C ~ 85°C", Package=8-SOIC, Power=N/A, Voltage="1.6V ~ 5.5V", Part Number=M24256E-FMN6TP, Place=POP, Tolerance=N/A
U4 U5 U6 U7: "1/1 Transceiver Half RS422, RS485 8-SOIC", Manufacturer="MaxLinear, Inc.", Operating Temp.="-40°C ~ 85°C", Package=8-SOIC, Power=N/A, Voltage="4.5V ~ 5.5V", Part Number=SP3082EEN-L, Place=POP, Tolerance=N/A
U9: "IC LDO REG ADJ 1A SOT223", Manufacturer=EVVO, Operating Temp.="-40°C ~ 85°C", Package=SOT-223-3, Power=N/A, Voltage=ADJ, Part Number=AMS1117-ADJ, Place=P, Tolerance=N/A
U10: "IC REG BUCK ADJ 2A TSOT23-6 / 3.8V to 32V", Manufacturer="Diodes Incorporated", Operatin Temp.="-40°C ~ 85", Package=TSOT-23-6, Power=N/A, Voltage=ADJ, Part Number=AP63200WU-7, Place=POP, Tolerance=N/A
U11: "IC USB SERIAL BASIC UART 16SSOP", Operatig Temp.="-40°C ~ 85°C", Package=16-SSOP, Power=N/A, Part Number=FT230XS-R, Place=POP, Tolerance=N/A, Voltage=N/A
X1: library part XTAL-4PINs, "16 MHz ±10ppm Crystal 9pF 40 Ohms 4-SMD, No Lead", Manufacturer="Hefei Jingweite Electronics Co., Ltd.", Operating Temp.="-40°C ~ 125°C", Power=N/A, Tolerance=±10ppm, Part Number=CF4016M00009T1521005, Place=POP, Voltage=N/A

## Via types
v1: diameter 0.6, hole 0.3, Top Layer to Bottom Layer, 239 vias

## Nets (pads, with @x,y where several pads share a name; then routed paths per layer and width w, separated by ;. In a path a pad name is that pad's centre, name@x,y a point inside that pad or via, vN(x,y) a via of type N, cw(c..) or ccw(c..) an arc to the next point about the centre after c; other vN are vias at no path point)
3V3_INT: C15.1 C16.2 C23.2 C27.1 L1.1 R6.2 R7.2 R8.2 R9.2 R10.2 R11.2 R12.2 R13.2 R14.2 R15.2 R16.2 R17.2 R54.2 R55.2 R63.2 U2.4 U3.8 U9.2 U9.4 U11.1 | length 30.3
  Top Layer w0.3: C27.1@-14,0.054 -12.525,0.054 -12.37,0.209 U11.1@-11.817,0.209 ; v1(-8.865,8.627) -8.809,8.683 -7.057,8.683 R7.2@-7,8.74 ; v1(-8.865,12.825) -8.808,12.768 -7.098,12.768 R6.2@-7,12.67 ; v1(-7.152,-6.655) -7.117,-6.62 -7.117,-5.617 R63.2@-7.083,-5.582 ; R16.2@-7.113,28.612 -7.107,28.606 -5.924,28.606 v1(-5.918,28.6) ; v1(-4.988,3.891) -4.931,3.948 -4.931,4.62 -4.801,4.75 -4.801,4.95 C16.2@-4.75,5 -4.75,6.191 -4.3,6.641 U3.8@-4.3,7.357 ; U2.4@-4.988,30.115 -3.877,30.115 C15.1@-3.538,29.776 -3.438,29.876 -3.438,30.142 -3.404,30.176 v1(-3.404,30.709) ; R17.2@-1.638,33.037 v1(-1.638,34.112) ; v1(-0.025,-6.045) -0.025,-7.048 C23.2@-0.023,-7.05 4.686,-7.05 U9.4@5,-6.736 5.813,-6.736 6.4,-6.15 R54.2@6.4,-5 6.327,-5.073 5.366,-5.073 v1(5.309,-5.131) ; v1(3.937,-16.002) 3.971,-15.968 3.971,-15.114 R55.2@4.005,-15.08 4.03,-15.08 4.65,-14.46 4.65,-13.614 U9.2@5,-13.264
  Top Layer w0.6: v1(13,9.156) L1.1@13,10.37
  other v1: 3.912,-7.214 4.877,-7.214 5.867,-7.188 5.029,-6.655 6.02,-6.553 4.083,-6.348 -14.097,0.203 11.684,44.824 2.58,44.925 9.214,44.924 10.541,44.933 7.791,44.967 3.69,45.043 5.099,45.026 6.58,45.043
5V0_INT: C17.2 C18.2 C19.2 C20.2 C22.2 C25.2 C26.2 D17.1 L2.2 R29.1 R30.1 R43.1 R44.1 R56.2 R57.2 U4.8 U5.8 U6.8 U7.8 U9.3 | length 25.5
  Top Layer w0.3: R56.2@-20.865,-19.23 R56.2@-20.846,-19.211 ; v1(-20.828,-18.364) -20.846,-18.383 R56.2@-20.846,-19.211 ; C25.2@-18.865,-19.18 -18.89,-19.205 -20.84,-19.205 R56.2@-20.846,-19.211 ; R57.2@-11.09,-18.08 -9.074,-18.08 C26.2@-9.054,-18.1 -9.054,-12.269 L2.2@-8.865,-12.08 ; v1(6.477,-17.374) 6.477,-16.013 C22.2@6.49,-16 6.49,-14.464 7.29,-13.664 U9.3@7.29,-13.264 ; C20.2@23.47,39.649 24.206,39.649 24.8,39.055 U7.8@24.8,37.659 ; v1(24.251,-0.252) 24.34,-0.342 U4.8@24.34,-2.05 ; C18.2@24.8,11.375 24.8,9.196 U5.8@24.84,9.156 ; U6.8@25.3,22.083 25.384,22.083 25.5,22.199 C19.2@25.5,24.005 ; v1(26.822,16.84) 26.838,16.825 27.695,16.825 R43.1@27.71,16.81
  other v1: -11.104,-18.074 -9.404,-13.181 -8.363,-13.13 -8.439,-12.292 -9.404,-12.241 -8.433,-11.532 -9.481,-11.022 -8.534,-10.389 -29.179,-8.914 26.791,-7.339 26.79,3.926 24.801,11.325 25.29,24.047 26.75,32.155 24.784,37.66
12V0_116: P1.3 R48.2
12V0_1732: P2.3 R1049.2
12V0_3348: P3.3 R1050.2
12V0_4964: P4.3 R1051.2
12V0_PROT: C24.2 D12.1 Q1.2 R48.1 R1049.1 R1050.1 R1051.1 U10.2 U10.3 | length 0.3
  Top Layer w0.3: C24.2@-14.915,-23.08 C24.2@-14.729,-22.894
  other v1: -24.587,-44.552 -24.613,-43.637 -24.689,-42.621 -24.663,-41.529 -15.646,-31.318 -15.672,-30.175 -15.679,-29.108 -14.858,-23.042
12V0_PWIN: P5.2 P5.3 Q1.3 R3001.1
  other v1: -29.921,-28.27 -28.27,-28.169 -26.873,-27.457 -29.947,-26.391 -28.219,-26.391 -26.645,-26.365 -28.296,-24.79 -26.594,-24.74 -30.074,-24.714
ALARM1_PWOUT: J19.1 Q5.3
  other v1: -27.438,11.269 -25.674,11.269 -27.438,12.53 -25.674,12.53 -25.725,13.572 -27.438,13.581 -27.438,14.47 -25.737,14.47
ALARM2_PWOUT: J19.3 Q2002.3
  other v1: -28.505,26.535 -27.184,26.535 -28.683,28.49 -27.057,28.617 -27.159,30.042 -28.581,30.903 -27.159,31.665
ALARM3_PWOUT: J19.5 Q2003.3
  other v1: -29.394,39.92 -28.048,40.079 -29.489,41.275 -27.946,41.47 -29.388,42.215 -27.946,42.359 -29.362,43.561 -27.794,43.756
ALARM_PWIN: D21.2 Q5.2 Q2002.2 Q2003.2 R64.2 R2002.2 R2003.2 R3001.2 | length 3.5
  Top Layer w0.3: R64.2@-16.39,6.616 -16.35,6.576 -15.04,6.576 v1(-15,6.536) ; R2003.2@-10.96,34.971 -10.937,34.948 -9.878,34.948 v1(-9.855,34.925) ; R2002.2@-10,20 -9.978,19.978 -9.978,19.13 v1(-9.957,19.109)
  other v1: -35.16,7.739 -34.169,7.739 -33.153,7.739 -35.16,8.602 -34.169,8.602 -33.153,8.602 -15.164,15.672 -13.983,15.773 -16.815,15.799 -16.186,16.251 -14.256,16.324 -15.272,16.349 -16.186,31.03 -13.875,31.03 -15.507,31.056 -14.986,31.064 -13.799,45.127 -15.424,45.153 -16.516,45.204 -14.713,45.204
GND: C1.1 C2.1 C3.1 C4.1 C5.2 C6.2 C7.2 C8.2 C9.2 C10.2 C11.2 C12.1 C13.1 C14.2 C15.2 C16.1 C17.1 C18.1 C19.1 C20.1 C22.1 C23.1 C24.1 C26.1 C27.2 C28.1 C29.1 C30.1 D1.2 D2.2 D3.2 D4.2 D5.2 D6.2 D7.C D8.C D9.2 D10.2 D11.C D12.2 D15.C D16.C D18.C D19.1 D20.2 D21.1 EXTRA1.3 J16.4 J19.2 J19.4 J19.6 P1.4 P2.4 P3.4 P4.4 P5.1 PROG1.5 Q6.2 Q2001.2 Q2004.2 R1.2 R18.1 R19.1 R20.1 R21.2 R22.2 R31.1 R32.1 R34.2 R35.2 R45.1 R46.1 R49.1 R58.1 R59.1 R61.1 R65.1 R2001.1 R2004.1 SW1.9 SW1.10 SW1.11 SW1.12 SW1.13 SW1.14 SW1.15 SW1.16 U1.12 U1.18 U1.63 U2.2 U3.4 U4.5 U5.5 U6.5 U7.5 U10.4 U11.3 U11.13 X1.2 X1.4 | length 85.6
  Top Layer w0.3: v1(-28.702,-42.824) -28.693,-42.816 -28.693,-41.921 R49.1@-28.685,-41.912 ; v1(-24,4) R65.1@-24,5 ; Q6.2@-19.865,5.686 -19.865,4.182 -19.764,4.081 v1(-19.764,4) ; R59.1@-19.015,-22.08 -19.011,-22.076 -17.987,-22.076 v1(-17.983,-22.073) ; v1(-17.831,-23.063) -16.832,-23.063 C24.1@-16.815,-23.08 ; v1(-13.983,-0.862) -13.784,-1.061 U11.3@-11.817,-1.061 ; Q2004.2@-12.225,35.051 -12.2,35.026 -12.2,34.323 v1(-11.608,33.731) -11.591,33.715 -11.591,32.826 R2004.1@-11.575,32.81 ; C29.1@-11.575,-6.383 -11.475,-6.483 -11.124,-6.483 -10.851,-6.756 v1(-10.77,-6.756) ; Q2001.2@-11.46,20.405 -11.46,19.664 -10.865,19.069 R2001.1@-10.865,17.905 -10.828,17.868 -9.867,17.868 v1(-9.83,17.831) ; v1(-10.058,31.013) -10.047,31.025 -9.066,31.025 R19.1@-9.054,31.037 -9.04,31.051 -7.606,31.051 U2.2@-7.592,31.065 ; v1(-7.189,5.699) R20.1@-7.189,7.285 ; U11.13@-6.369,-1.696 -4.963,-1.696 v1(-4.197,-2.462) ; v1(-6.045,25) C10.2@-5,25 ; X1.4@-4.338,20.805 -4.671,20.805 -5.486,19.99 -5.486,19.329 -5.207,19.05 v1(-4.953,19.05) -4.946,19.057 -3.995,19.057 C9.2@-3.988,19.065 ; C16.1@-3.85,5 -3.85,4.285 -3.538,3.972 v1(-3.538,3.891) ; v1(-3.581,27.813) -3.56,27.835 -3.56,28.854 C15.2@-3.538,28.876 ; R18.1@-3.538,33.037 -3.522,33.053 -3.522,34.02 v1(-3.505,34.036) ; v1(-2.794,24.274) -2.794,23.061 X1.2@-2.738,23.005 ; v1(-1.676,16.205) -1.657,16.224 -1.657,17.386 C13.1@-1.638,17.405 ; C11.2@-1.01,28.75 -0.861,28.899 0.324,28.899 v1@0.372,28.947 ; v1(-0.533,-14.122) -0.476,-14.065 -0.476,-13.389 -0.351,-13.264 R58.1@-0.348,-13.264 ; C14.2@-0.11,17.823 -0.08,17.794 -0.08,16.641 v1(-0.051,16.612) ; v1(-0.025,-9.931) -0.023,-9.929 C23.1@-0.023,-8.95 ; C12.1@0.362,27.9 0.372,27.909 v1@0.372,28.947 ; v1(0.381,29.235) 0.372,29.226 v1@0.372,28.947 ; v1(1.035,20.032) 1.116,20.032 1.243,19.905 U1.12@2.46,19.905 U1.12@2.54,19.905 ; U3.4@1.18,11.167 2.711,11.167 2.919,11.375 v1(3,11.375) ; SW1.9@2.63,33.859 2.718,33.947 2.718,34.773 3.023,35.077 3.531,35.077 3.785,34.823 3.785,33.974 3.906,33.853 3.906,32.67 v1(3.912,32.664) ; v1(2.692,30.353) 2.701,30.361 3.572,30.361 C5.2@3.58,30.37 ; v1(4.648,25.984) 4.648,26.065 4.95,26.367 4.95,27.315 U1.63@4.96,27.325 ; v1(4.715,30.815) R1.2@5.475,30.815 ; v1(4.96,12.275) 4.98,12.295 4.98,13.288 C7.2@5,13.308 ; U1.18@4.96,15.985 4.96,17.23 5.099,17.369 v1(5.099,17.45) ; SW1.11@5.17,33.859 5.359,34.048 5.359,34.925 5.588,35.154 6.147,35.154 6.35,34.95 6.35,33.949 6.497,33.802 6.497,32.797 v1(6.553,32.741) ; SW1.13@7.71,33.859 7.823,33.972 7.823,34.849 8.204,35.23 8.738,35.23 9.017,34.95 9.017,33.896 8.97,33.849 8.97,32.674 v1(8.96,32.664) ; C22.1@8.39,-16 8.392,-16.002 v1(9.322,-16.002) ; v1(9.779,-9.957) 9.779,-8.901 D15.C@9.927,-8.754 ; SW1.15@10.25,33.859 10.211,33.82 10.211,32.817 10.389,32.639 11.137,32.639 11.312,32.815 11.312,33.651 11.526,33.865 11.526,35.173 v1(11.532,35.179) ; C2.1@10.71,11.825 10.73,11.805 10.73,10.206 v1(10.75,10.186) ; C6.2@13.88,13.995 13.905,13.97 14.427,13.97 v1(14.453,13.945) ; v1(16.739,19.279) 16.767,19.25 16.767,18.581 16.963,18.385 R45.1@17.71,18.385 ; C20.1@23.47,40.549 23.628,40.708 v1(24.809,40.708) ; C17.1@24.34,0.659 24.365,0.634 26.671,0.634 v1(26.695,0.61) 26.703,0.602 26.703,-0.839 R22.2@26.71,-0.846 ; U6.5@25.3,18.273 25.3,17.245 v1(25.349,17.196) ; D1.2@29,0.036 28.931,0.105 28.931,0.838 29.362,1.27 v1(29.439,1.27) 29.489,1.27 29.87,1.651 29.87,2.384 D4.2@29.959,2.473 ; v1(29.937,30.683) 29.937,31.927 D10.2@30.025,32.015 ; D9.2@30.025,15.883 30.109,15.799 v1(31.166,15.799) ; D5.2@30.05,24.637 30.153,24.74 v1(31.369,24.74)
  other v1: -17.425,-30.755 -11.52,-22.99 -9.023,-19.099 -14.708,-18.784 -27.997,-15.096 -28.124,-11.997 28.975,-8.782 -24.771,-6.13 24.352,-5.866 16.768,-4.692 -29.266,-2.621 12.059,-1.192 -26.956,-0.643 11.779,1.907 11.754,5.006 24.987,5.3 17.268,5.663 26.54,11.079 29.991,11.828 24.841,12.367 -35.287,13.809 -34.271,13.835 -33.255,13.835 -35.262,14.749 -34.271,14.749 -33.255,14.749 -1.048,21.429 27.68,24.274 25.29,24.947 17.469,25.823 16.046,28.516 14.13,30.461 24.835,33.901 17.206,34.205 26.714,39.26 29.754,40.216
I2C_SCL-1: R7.1 U1.61 U2.1 U3.6 | length 47.4
  Top Layer w0.3: v1(-7.925,10.185) -7.394,9.655 -7.065,9.655 R7.1@-7,9.59 -5.049,9.59 -4.742,9.897 U3.6@-4.3,9.897 ; U2.1@-7.592,32.015 -7.395,32.015 -6.738,32.672 -6.738,33.013 v1(-6.68,33.071) ; U1.61@5.96,27.325 5.97,27.315 5.97,26.278 6.299,25.949 v1(6.299,25.857)
  Bottom Layer w0.3: v1(-7.925,10.185) -5.344,10.185 7.595,23.124 7.595,24.562 v1(6.299,25.857) 6.299,25.938 6.011,26.227 6.011,26.237 3.563,28.685 0.153,28.685 -4.376,33.214 -6.455,33.214 -6.599,33.071 v1(-6.68,33.071)